# Altium PCB QCPower Rev A.PcbDoc (part 3 of 5) (continued)
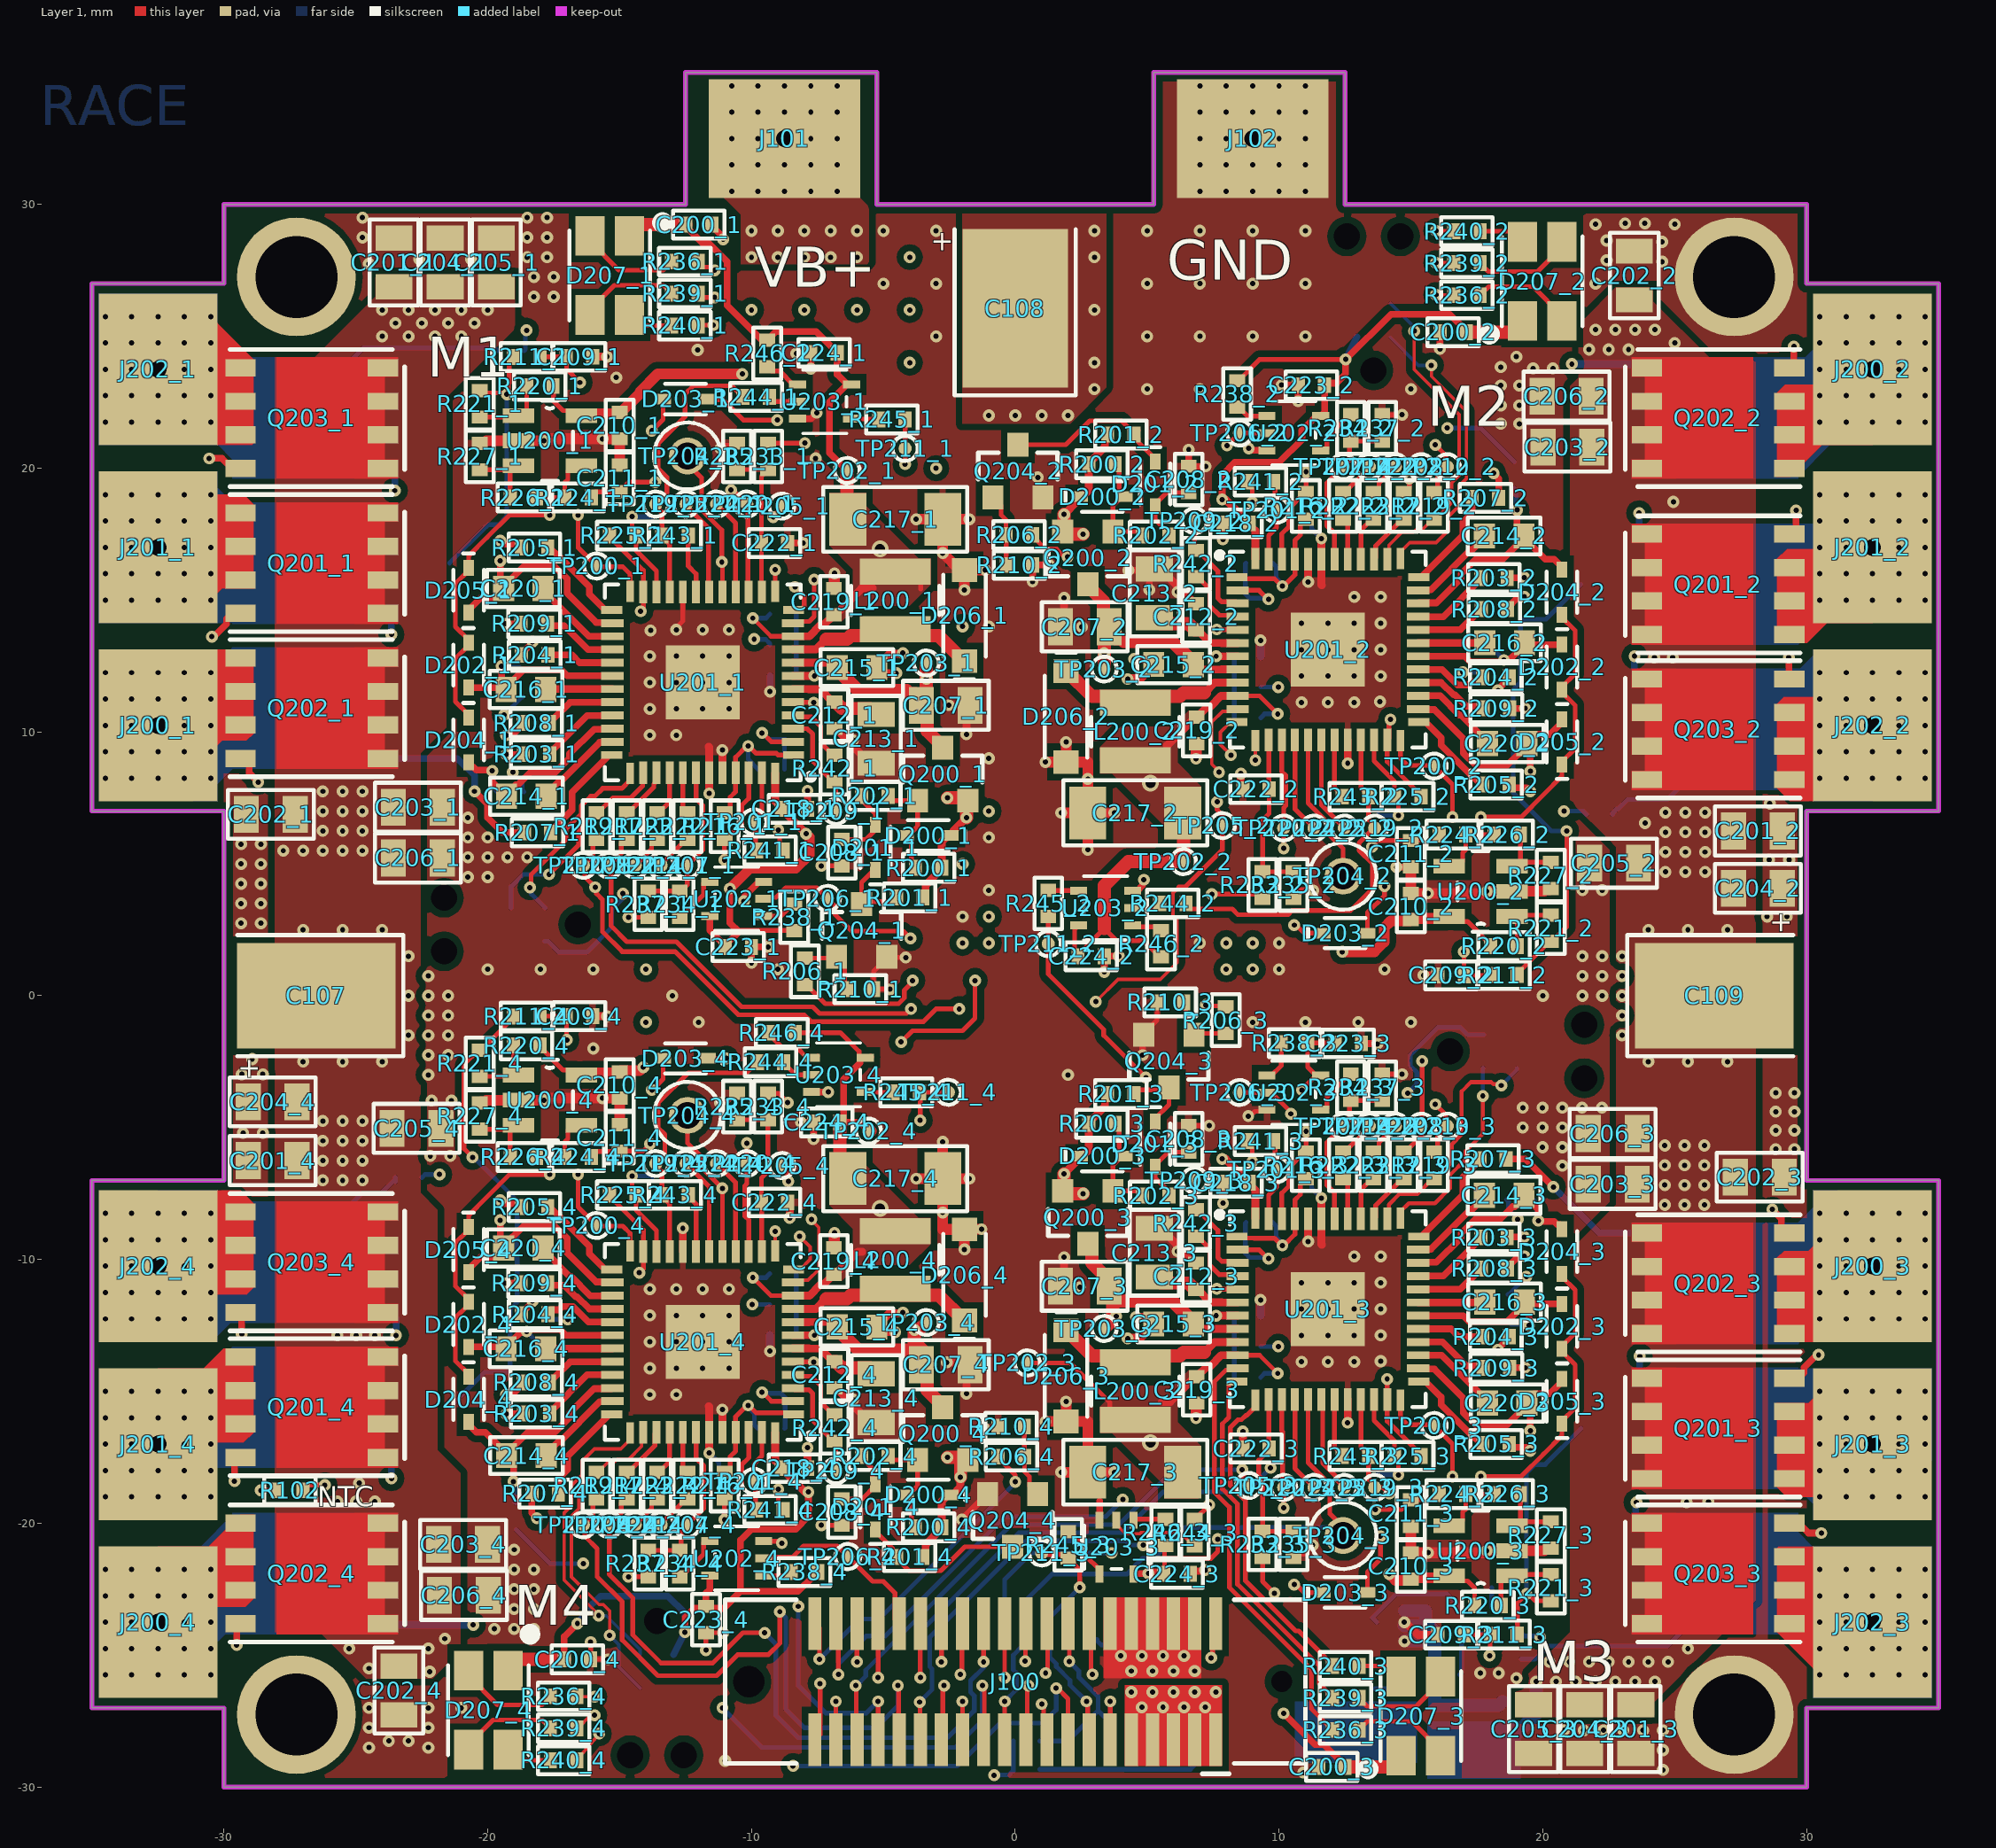
[diagram p0: Layer 1 view]
## Nets (pads, with @x,y where several pads share a name; then routed paths per layer and width w, separated by ;. In a path a pad name is that pad's centre, name@x,y a point inside that pad or via, vN(x,y) a via of type N, cw(c..) or ccw(c..) an arc to the next point about the centre after c; other vN are vias at no path point) (continued)
NetC214_4_1: C214_4.1 U201_4.35 | length 3.5
  Layer 1 w0.254: C214_4.1@-17.786,-17.432 -17.786,-17.357 -17.345,-16.916 ; U201_4.35@-15.277,-15.372 -15.3,-15.395 -15.754,-15.395 -17.274,-16.916 ; -17.345,-16.916 -17.274,-16.916 ; -17.345,-16.916 -17.274,-16.916
NetC216_1_1: C216_1.1 U201_1.31 | length 2.5
  Layer 1 w0.279: C216_1.1@-17.804,11.616 -17.792,11.628 U201_1.31@-15.277,11.628
NetC216_2_1: C216_2.1 U201_2.31 | length 2.5
  Layer 1 w0.279: U201_2.31@15.277,13.372 17.792,13.372 C216_2.1@17.804,13.383
NetC216_3_1: C216_3.1 U201_3.31 | length 2.5
  Layer 1 w0.279: U201_3.31@15.277,-11.628 17.792,-11.628 C216_3.1@17.804,-11.616
NetC216_4_1: C216_4.1 U201_4.31 | length 2.5
  Layer 1 w0.279: C216_4.1@-17.804,-13.384 -17.792,-13.372 U201_4.31@-15.277,-13.372
NetC220_1_1: C220_1.1 U201_1.27 | length 3.4
  Layer 1 w0.254: C220_1.1@-17.9,15.44 -17.9,15.365 -16.163,13.628 U201_1.27@-15.277,13.628
NetC220_2_1: C220_2.1 U201_2.27 | length 3.4
  Layer 1 w0.254: U201_2.27@15.277,11.372 16.106,11.372 16.838,10.64 16.895,10.64 17.9,9.635 C220_2.1@17.9,9.56
NetC220_3_1: C220_3.1 U201_3.27 | length 3.4
  Layer 1 w0.254: U201_3.27@15.277,-13.628 16.163,-13.628 17.9,-15.365 C220_3.1@17.9,-15.44
NetC220_4_1: C220_4.1 U201_4.27 | length 3.4
  Layer 1 w0.254: C220_4.1@-17.9,-9.56 -17.9,-9.635 -16.895,-10.64 -16.838,-10.64 -16.105,-11.372 U201_4.27@-15.277,-11.372
NetC221_1_1: C221_1.1 R231_1.2 R232_1.2 U201_1.7 | length 3.8
  Layer 1 w0.3: U201_1.7@-8.427,12.128 v2(-7.616,12.128)
  Layer 6 w0.178: C221_1.1@-8.3,12.13 R231_1.2@-8.3,14.465 ; C221_1.1@-8.299,12.129 v2@-7.617,12.129
  Layer 6 w0.3: C221_1.1@-8.3,12.13 C221_1.1@-8.299,12.129 ; v2@-7.617,12.129 v2(-7.616,12.128)
NetC221_2_1: C221_2.1 R231_2.2 R232_2.2 U201_2.7 | length 3.8
  Layer 1 w0.3: v2(7.616,12.872) U201_2.7@8.427,12.872
  Layer 6 w0.178: R231_2.2@8.3,10.535 R232_2.2@8.3,11.702 C221_2.1@8.3,12.87
  Layer 6 w0.3: v2(7.616,12.872) 7.617,12.871 8.299,12.871 C221_2.1@8.3,12.87
NetC221_3_1: C221_3.1 R231_3.2 R232_3.2 U201_3.7 | length 3.8
  Layer 1 w0.3: v2(7.616,-12.128) U201_3.7@8.427,-12.128
  Layer 6 w0.178: R231_3.2@8.3,-14.465 R232_3.2@8.3,-13.298 C221_3.1@8.3,-12.13
  Layer 6 w0.3: v2(7.616,-12.128) 7.617,-12.129 8.299,-12.129 C221_3.1@8.3,-12.13
NetC221_4_1: C221_4.1 R231_4.2 R232_4.2 U201_4.7 | length 3.8
  Layer 1 w0.3: U201_4.7@-8.427,-12.872 v2(-7.616,-12.872)
  Layer 6 w0.178: C221_4.1@-8.3,-12.87 R232_4.2@-8.3,-11.702 R231_4.2@-8.3,-10.535
  Layer 6 w0.3: C221_4.1@-8.3,-12.87 -8.299,-12.871 -7.617,-12.871 v2(-7.616,-12.872)
NetD200_1_A: D200_1.A Q200_1.1 R200_1.2 R202_1.2 | length 4.1
  Layer 1 w0.178: R202_1.2@-4.825,7.475 -4.75,7.4 Q200_1.1@-3.7,7.4 -3.7,6.425 D200_1.A@-4.05,6.075 ; D200_1.A@-4.152,6.075 D200_1.A@-4.05,6.075 ; R200_1.2@-3.788,4.852 -3.939,5.003 -3.939,5.963 D200_1.A@-4.05,6.075
NetD200_2_A: D200_2.A Q200_2.1 R200_2.2 R202_2.2 | length 4.1
  Layer 1 w0.178: R200_2.2@3.788,20.148 3.939,19.997 3.939,19.036 D200_2.A@4.05,18.925 ; D200_2.A@4.152,18.925 D200_2.A@4.05,18.925 ; R202_2.2@4.825,17.525 4.75,17.6 Q200_2.1@3.7,17.6 3.7,18.575 D200_2.A@4.05,18.925
NetD200_3_A: D200_3.A Q200_3.1 R200_3.2 R202_3.2 | length 4.1
  Layer 1 w0.178: R200_3.2@3.788,-4.852 3.939,-5.003 3.939,-5.963 D200_3.A@4.05,-6.075 ; D200_3.A@4.152,-6.075 D200_3.A@4.05,-6.075 ; R202_3.2@4.825,-7.475 4.75,-7.4 Q200_3.1@3.7,-7.4 3.7,-6.425 D200_3.A@4.05,-6.075
NetD200_4_A: D200_4.A Q200_4.1 R200_4.2 R202_4.2 | length 4.1
  Layer 1 w0.178: R202_4.2@-4.825,-17.525 -4.75,-17.6 Q200_4.1@-3.7,-17.6 -3.7,-18.575 D200_4.A@-4.05,-18.925 ; D200_4.A@-4.152,-18.925 D200_4.A@-4.05,-18.925 ; R200_4.2@-3.788,-20.148 -3.939,-19.997 -3.939,-19.036 D200_4.A@-4.05,-18.925
NetD201_1_K: D201_1.K Q204_1.3 R201_1.2 | length 3
  Layer 1 w0.178: D201_1.K@-5.3,4.823 -5.825,4.298 Q204_1.3@-5.825,3.475 -5.736,3.564 -4.661,3.564 R201_1.2@-4.5,3.725
NetD201_2_K: D201_2.K Q204_2.3 R201_2.2 | length 6.8
  Layer 1 w0.178: Q204_2.3@0.102,20.888 1.913,20.888 2.825,21.8 4.025,21.8 4.5,21.325 R201_2.2@4.5,21.275 ; R201_2.2@4.661,21.436 R201_2.2@4.5,21.275 ; D201_2.K@5.3,20.279 D201_2.K@5.3,20.254 5.3,20.177 5.3,20.356 4.661,20.994 4.661,21.114 R201_2.2@4.5,21.275
NetD201_3_K: D201_3.K Q204_3.3 R201_3.2 | length 3
  Layer 1 w0.178: R201_3.2@4.5,-3.725 4.661,-3.564 5.736,-3.564 Q204_3.3@5.825,-3.475 5.825,-4.132 5.3,-4.657 D201_3.K@5.3,-4.823
NetD201_4_K: D201_4.K Q204_4.3 R201_4.2 | length 6.7
  Layer 1 w0.178: D201_4.K@-5.3,-20.177 D201_4.K@-5.3,-20.228 -5.3,-20.279 -5.3,-20.303 -4.661,-20.942 -4.661,-21.114 R201_4.2@-4.5,-21.275 ; R201_4.2@-4.661,-21.436 R201_4.2@-4.5,-21.275 ; Q204_4.3@-0.102,-20.888 -1.913,-20.888 -2.825,-21.8 -4.025,-21.8 -4.5,-21.325 R201_4.2@-4.5,-21.275
NetD202_1_K: D202_1.K D203_1.A D204_1.K D205_1.K | length 18.5
  Layer 1 w0.178: D204_1.K@-20.725,10.552 -20.725,10.654 -21.225,11.154 -21.225,12.788 -20.725,13.288 D202_1.K@-20.725,13.39 -20.725,13.492 -21.225,13.992 -21.225,15.625 -20.725,16.125 D205_1.K@-20.725,16.227 -20.725,16.675 -20.025,17.375 -20.025,17.376 -19.175,18.226 v2(-17.651,18.226) ; v2(-13.775,21.425) -13.352,21.848 D203_1.A@-13.352,22.625
  Layer 3 w0.178: v2(-17.651,18.226) -17.125,17.7 -16.1,17.7 -13.775,20.025 v2(-13.775,21.425)
NetD202_2_K: D202_2.K D203_2.A D204_2.K D205_2.K | length 18.5
  Layer 1 w0.178: D203_2.A@13.352,2.375 13.352,3.152 14.001,3.801 v2(14.001,4.15) ; v2(17.651,6.774) 19.176,6.774 20.025,7.624 20.025,7.625 20.725,8.325 D205_2.K@20.725,8.773 20.725,8.875 21.225,9.375 21.225,11.008 20.725,11.508 D202_2.K@20.725,11.61 20.725,11.712 21.225,12.212 21.225,13.846 20.725,14.346 D204_2.K@20.725,14.448
  Layer 3 w0.178: v2(14.001,4.15) 14.001,4.749 13.95,4.8 13.95,5.25 15.918,7.218 17.207,7.218 v2(17.651,6.774)
NetD202_3_K: D202_3.K D203_3.A D204_3.K D205_3.K | length 18.2
  Layer 1 w0.178: D203_3.A@13.352,-22.625 13.352,-21.848 13.843,-21.357 v2(13.843,-20.492) ; v2(17.651,-18.226) 19.175,-18.226 20.025,-17.376 20.025,-17.375 20.725,-16.675 D205_3.K@20.725,-16.227 20.725,-16.125 21.225,-15.625 21.225,-13.992 20.725,-13.492 D202_3.K@20.725,-13.39 20.725,-13.288 21.225,-12.788 21.225,-11.154 20.725,-10.654 D204_3.K@20.725,-10.552
  Layer 3 w0.178: v2(13.843,-20.492) 13.843,-20.331 16.392,-17.782 17.207,-17.782 v2(17.651,-18.226)
NetD202_4_K: D202_4.K D203_4.A D204_4.K D205_4.K | length 18.5
  Layer 1 w0.178: D204_4.K@-20.725,-14.448 -20.725,-14.346 -21.225,-13.846 -21.225,-12.212 -20.725,-11.712 D202_4.K@-20.725,-11.61 -20.725,-11.508 -21.225,-11.008 -21.225,-9.375 -20.725,-8.875 D205_4.K@-20.725,-8.773 -20.725,-8.325 -20.025,-7.625 -20.025,-7.624 -19.175,-6.774 v2(-17.651,-6.774) ; v2(-13.775,-3.575) -13.352,-3.152 D203_4.A@-13.352,-2.375
  Layer 3 w0.178: v2(-17.651,-6.774) -17.125,-7.3 -16.1,-7.3 -14.286,-5.486 -14.286,-5.43 -14.026,-5.17 -13.971,-5.17 -13.775,-4.975 v2(-13.775,-3.575)
NetD206_1_K: D206_1.K L200_1.1 U201_1.9 | length 7.3
  Layer 1 w0.3: U201_1.9@-8.427,13.128 -7.563,13.128 -7.175,13.515
  Layer 1 w0.5: -7.175,13.515 -6.375,13.515 -6.238,13.653 -4.795,13.653 L200_1.1@-4.55,13.898 -4.305,13.653 -2.913,13.653 -1.95,12.69 D206_1.K@-1.925,12.69
NetD206_2_K: D206_2.K L200_2.1 U201_2.9 | length 7.3
  Layer 1 w0.3: 7.175,11.485 7.563,11.872 U201_2.9@8.427,11.872
  Layer 1 w0.5: D206_2.K@1.925,12.31 1.95,12.31 2.913,11.347 4.305,11.347 L200_2.1@4.55,11.102 4.796,11.347 6.238,11.347 6.375,11.485 7.175,11.485
NetD206_3_K: D206_3.K L200_3.1 U201_3.9 | length 7.3
  Layer 1 w0.3: 7.175,-13.515 7.563,-13.128 U201_3.9@8.427,-13.128
  Layer 1 w0.5: D206_3.K@1.925,-12.69 1.95,-12.69 2.913,-13.653 4.305,-13.653 L200_3.1@4.55,-13.898 4.795,-13.653 6.238,-13.653 6.375,-13.515 7.175,-13.515
NetD206_4_K: D206_4.K L200_4.1 U201_4.9 | length 7.3
  Layer 1 w0.3: U201_4.9@-8.427,-11.872 -7.563,-11.872 -7.175,-11.485
  Layer 1 w0.5: -7.175,-11.485 -6.375,-11.485 -6.238,-11.347 -4.795,-11.347 L200_4.1@-4.55,-11.102 -4.305,-11.347 -2.913,-11.347 -1.95,-12.31 D206_4.K@-1.925,-12.31
NetD207_1_2: D207_1.2 R240_1.1 | length 1.8
  Layer 1 w0.178: D207_1.2@-14.625,25.81 -14.225,25.41 R240_1.1@-13.025,25.41
NetD207_1_3: D207_1.3 R239_1.1 | length 3.8
  Layer 1 w0.178: D207_1.3@-16.125,25.81 -16.125,26.01 -15.2,26.935 -13.337,26.935 -13.236,26.833 -13.186,26.833 -13.025,26.672 R239_1.1@-13.025,26.622
NetD207_1_4: D207_1.4 R236_1.1 | length 3.9
  Layer 1 w0.178: D207_1.4@-16.125,28.81 -16.125,28.61 -15.025,27.51 -13.35,27.51 -13.236,27.624 -13.186,27.624 -13.025,27.785 R236_1.1@-13.025,27.835
NetD207_2_2: D207_2.2 R240_2.1 | length 1.8
  Layer 1 w0.178: R240_2.1@17.625,28.982 18.825,28.982 D207_2.2@19.225,28.582
NetD207_2_3: D207_2.3 R239_2.1 | length 3.8
  Layer 1 w0.178: R239_2.1@17.625,27.77 17.625,27.72 17.786,27.559 17.836,27.559 17.938,27.457 19.8,27.457 20.725,28.382 D207_2.3@20.725,28.582
NetD207_2_4: D207_2.4 R236_2.1 | length 3.9
  Layer 1 w0.178: R236_2.1@17.625,26.557 17.625,26.607 17.786,26.768 17.836,26.768 17.95,26.882 19.625,26.882 20.725,25.782 D207_2.4@20.725,25.582
NetD207_3_2: D207_3.2 R240_3.1 | length 1.8
  Layer 1 w0.178: R240_3.1@13.025,-25.41 14.225,-25.41 D207_3.2@14.625,-25.81
NetD207_3_3: D207_3.3 R239_3.1 | length 3.8
  Layer 1 w0.178: R239_3.1@13.025,-26.622 13.025,-26.672 13.186,-26.833 13.236,-26.833 13.337,-26.935 15.2,-26.935 16.125,-26.01 D207_3.3@16.125,-25.81
NetD207_3_4: D207_3.4 R236_3.1 | length 3.9
  Layer 1 w0.178: R236_3.1@13.025,-27.835 13.025,-27.785 13.186,-27.624 13.236,-27.624 13.35,-27.51 15.025,-27.51 16.125,-28.61 D207_3.4@16.125,-28.81
NetD207_4_2: D207_4.2 R240_4.1 | length 1.8
  Layer 1 w0.178: D207_4.2@-19.225,-28.582 -18.825,-28.982 R240_4.1@-17.625,-28.982
NetD207_4_3: D207_4.3 R239_4.1 | length 3.8
  Layer 1 w0.178: D207_4.3@-20.725,-28.582 -20.725,-28.382 -19.8,-27.457 -17.937,-27.457 -17.836,-27.559 -17.786,-27.559 -17.625,-27.72 R239_4.1@-17.625,-27.77
NetD207_4_4: D207_4.4 R236_4.1 | length 3.9
  Layer 1 w0.178: D207_4.4@-20.725,-25.582 -20.725,-25.782 -19.625,-26.882 -17.95,-26.882 -17.836,-26.768 -17.786,-26.768 -17.625,-26.607 R236_4.1@-17.625,-26.557
NetQ204_1_1: Q204_1.1 R206_1.1 R210_1.1 | length 2.6
  Layer 1 w0.178: R206_1.1@-7.975,1.425 -6.825,1.425 Q204_1.1@-6.775,1.475 -6.464,1.164 -6.464,0.339 R210_1.1@-6.375,0.25
NetQ204_2_1: Q204_2.1 R206_2.1 R210_2.1 | length 3.6
  Layer 1 w0.178: R210_2.1@-0.344,16.332 -0.348,16.336 -0.348,17.471 R206_2.1@-0.352,17.475 -0.352,18.042 -0.537,18.228 ; -0.537,18.228 Q204_2.1@-0.537,18.577 ; -0.537,18.228 Q204_2.1@-0.537,18.577 ; Q204_2.1@-0.537,18.577 Q204_2.1@-0.848,18.888 Q204_2.1@-0.537,18.577
NetQ204_3_1: Q204_3.1 R206_3.1 R210_3.1 | length 2.6
  Layer 1 w0.178: R210_3.1@6.375,-0.25 6.464,-0.339 6.464,-1.164 Q204_3.1@6.725,-1.425 ; Q204_3.1@6.775,-1.475 Q204_3.1@6.725,-1.425 ; R206_3.1@7.975,-1.425 Q204_3.1@6.725,-1.425
NetQ204_4_1: Q204_4.1 R206_4.1 R210_4.1 | length 2.8
  Layer 1 w0.178: R210_4.1@0.344,-16.332 0.348,-16.336 0.348,-17.471 R206_4.1@0.352,-17.475 0.352,-18.042 0.537,-18.228 0.537,-18.577 Q204_4.1@0.848,-18.888
NetR100_2: R100.2 R101.1 U100.3 | length 2.7
  Layer 6 w0.178: U100.3@16.85,-25.73 16.916,-25.664 R100.2@16.916,-24.184 R101.1@18.059,-24.184
NetR102_1: R102.1 R103.1 R104.2 | length 45
  Layer 1 w0.178: R102.1@-27,-18.75 -27,-18.711 -26.839,-18.55 v2(-26.175,-18.55)
  Layer 3 w0.127: v2(-26.175,-18.55) -25.625,-18.55 -21.65,-14.575 -19.125,-14.575 -18.607,-15.093 -18.607,-18.982 -21.279,-21.654 -21.279,-23.6 -21.001,-23.878 -21.001,-23.989 -15.312,-29.679 -1.4,-29.679 -1.271,-29.55 v1(-0.8,-29.55)
  Layer 6 w0.178: v1(-0.8,-29.55) -0.786,-29.536 -0.236,-29.536 -0.075,-29.375 R104.2@-0.075,-29.325 ; R104.2@-0.075,-29.315 R103.1@-0.075,-28.25
NetR217_1_2: R217_1.2 U201_1.39 | length 2
  Layer 1 w0.178: R217_1.2@-14.727,6.929 -14.677,6.929 -13.7,7.906 -13.7,8.025 -13.602,8.123 U201_1.39@-13.602,8.453
NetR217_2_2: R217_2.2 U201_2.39 | length 2
  Layer 1 w0.178: U201_2.39@13.602,16.547 13.663,16.608 13.663,17.057 14.677,18.071 R217_2.2@14.727,18.071
NetR217_3_2: R217_3.2 U201_3.39 | length 2
  Layer 1 w0.178: U201_3.39@13.602,-8.453 13.663,-8.392 13.663,-7.942 14.677,-6.929 R217_3.2@14.727,-6.929
NetR217_4_2: R217_4.2 U201_4.39 | length 2
  Layer 1 w0.178: R217_4.2@-14.727,-18.071 -14.677,-18.071 -13.663,-17.058 -13.663,-16.608 U201_4.39@-13.602,-16.547
NetR220_1_2: R220_1.2 R221_1.1 U200_1.1 | length 3
  Layer 1 w0.178: R221_1.1@-20.3,21.94 U200_1.1@-18.888,21.94 ; U200_1.1@-19.025,22.077 U200_1.1@-18.888,21.94 ; R220_1.2@-18.525,23.118 -18.525,22.183 -18.716,21.993 U200_1.1@-18.836,21.993 U200_1.1@-18.888,21.94
NetR220_2_2: R220_2.2 R221_2.1 U200_2.1 | length 2.7
  Layer 1 w0.178: U200_2.1@18.836,3.007 U200_2.1@18.888,3.06 ; R220_2.2@19.025,1.882 19.025,2.923 U200_2.1@18.888,3.06 ; R221_2.1@20.3,3.06 U200_2.1@18.888,3.06
NetR220_3_2: R220_3.2 R221_3.1 U200_3.1 | length 3.1
  Layer 1 w0.178: R220_3.2@18.416,-23.118 18.416,-22.183 18.606,-21.993 U200_3.1@18.836,-21.993 U200_3.1@18.888,-21.94 ; U200_3.1@19.025,-22.077 U200_3.1@18.888,-21.94 ; R221_3.1@20.3,-21.94 U200_3.1@18.888,-21.94
NetR220_4_2: R220_4.2 R221_4.1 U200_4.1 | length 2.7
  Layer 1 w0.178: R221_4.1@-20.3,-3.06 U200_4.1@-18.888,-3.06 ; R220_4.2@-19.025,-1.882 -19.025,-2.923 U200_4.1@-18.888,-3.06 ; U200_4.1@-18.836,-3.007 U200_4.1@-18.888,-3.06
NetR222_1_2: R222_1.2 U201_1.41 | length 1.6
  Layer 1 w0.178: U201_1.41@-12.602,8.453 -12.602,7.09 -12.441,6.929 R222_1.2@-12.423,6.929
NetR222_2_2: R222_2.2 U201_2.41 | length 1.6
  Layer 1 w0.178: R222_2.2@12.423,18.071 12.441,18.071 12.602,17.91 U201_2.41@12.602,16.547
NetR222_3_2: R222_3.2 U201_3.41 | length 1.6
  Layer 1 w0.178: R222_3.2@12.423,-6.929 12.441,-6.929 12.602,-7.09 U201_3.41@12.602,-8.453
NetR222_4_2: R222_4.2 U201_4.41 | length 1.6
  Layer 1 w0.178: U201_4.41@-12.602,-16.547 -12.602,-17.91 -12.441,-18.071 R222_4.2@-12.423,-18.071
NetR223_1_2: R223_1.2 U201_1.40 | length 1.7
  Layer 1 w0.178: R223_1.2@-13.575,6.929 -13.525,6.929 -13.102,7.352 U201_1.40@-13.102,8.453
NetR223_2_2: R223_2.2 U201_2.40 | length 1.7
  Layer 1 w0.178: U201_2.40@13.102,16.547 13.102,17.648 13.525,18.071 R223_2.2@13.575,18.071
NetR223_3_2: R223_3.2 U201_3.40 | length 1.7
  Layer 1 w0.178: U201_3.40@13.102,-8.453 13.102,-7.352 13.525,-6.929 R223_3.2@13.575,-6.929
NetR223_4_2: R223_4.2 U201_4.40 | length 1.7
  Layer 1 w0.178: R223_4.2@-13.575,-18.071 -13.525,-18.071 -13.102,-17.648 U201_4.40@-13.102,-16.547
NetR224_1_1: R224_1.1 R226_1.2 U200_1.4 | length 2.7
  Layer 1 w0.178: R226_1.2@-18.15,18.89 R224_1.1@-17.075,18.89 -17.075,19.457 -16.96,19.572 -16.96,19.902 -16.769,20.093 U200_1.4@-16.449,20.093
NetR224_2_1: R224_2.1 R226_2.2 U200_2.4 | length 2.7
  Layer 1 w0.178: U200_2.4@16.449,4.907 16.769,4.907 16.96,5.098 16.96,5.427 17.075,5.543 R224_2.1@17.075,6.11 R226_2.2@18.15,6.11
NetR224_3_1: R224_3.1 R226_3.2 U200_3.4 | length 2.7
  Layer 1 w0.178: U200_3.4@16.449,-20.093 16.769,-20.093 16.96,-19.902 16.96,-19.572 17.075,-19.457 R224_3.1@17.075,-18.89 R226_3.2@18.15,-18.89
NetR224_4_1: R224_4.1 R226_4.2 U200_4.4 | length 2.7
  Layer 1 w0.178: R226_4.2@-18.15,-6.11 R224_4.1@-17.075,-6.11 -17.075,-5.543 -16.96,-5.428 -16.96,-5.098 -16.769,-4.907 U200_4.4@-16.449,-4.907
NetR226_1_1: R226_1.1 R227_1.1 U200_1.3 | length 2.6
  Layer 1 w0.178: R227_1.1@-20.3,19.94 U200_1.3@-19.112,19.94 ; R226_1.1@-19.15,18.89 -19.15,19.902 U200_1.3@-19.112,19.94 ; U200_1.3@-18.836,20.093 -18.96,20.093 U200_1.3@-19.112,19.94
NetR226_2_1: R226_2.1 R227_2.1 U200_2.3 | length 2.6
  Layer 1 w0.178: U200_2.3@18.836,4.907 18.96,4.907 U200_2.3@19.112,5.06 ; R226_2.1@19.15,6.11 19.15,5.098 U200_2.3@19.112,5.06 ; R227_2.1@20.3,5.06 U200_2.3@19.112,5.06
NetR226_3_1: R226_3.1 R227_3.1 U200_3.3 | length 2.6
  Layer 1 w0.178: U200_3.3@18.836,-20.093 18.96,-20.093 U200_3.3@19.112,-19.94 ; R226_3.1@19.15,-18.89 19.15,-19.902 U200_3.3@19.112,-19.94 ; R227_3.1@20.3,-19.94 U200_3.3@19.112,-19.94
NetR226_4_1: R226_4.1 R227_4.1 U200_4.3 | length 2.6
  Layer 1 w0.178: R227_4.1@-20.3,-5.06 U200_4.3@-19.112,-5.06 ; R226_4.1@-19.15,-6.11 -19.15,-5.098 U200_4.3@-19.112,-5.06 ; U200_4.3@-18.836,-4.907 -18.96,-4.907 U200_4.3@-19.112,-5.06
NetR234_1_1: R234_1.1 U202_1.4 | length 2
  Layer 1 w0.178: R234_1.1@-12.719,2.973 -12.669,2.973 -11.818,3.824 -11.818,4.26 -11.757,4.322 U202_1.4@-11.583,4.322
NetR234_2_1: R234_2.1 U202_2.4 | length 2
  Layer 1 w0.178: U202_2.4@11.583,20.678 11.757,20.678 11.818,20.739 11.818,21.176 12.669,22.027 R234_2.1@12.719,22.027
NetR234_3_1: R234_3.1 U202_3.4 | length 2
  Layer 1 w0.178: U202_3.4@11.583,-4.322 11.757,-4.322 11.818,-4.26 11.818,-3.824 12.669,-2.973 R234_3.1@12.719,-2.973
NetR234_4_1: R234_4.1 U202_4.4 | length 2
  Layer 1 w0.178: R234_4.1@-12.719,-22.027 -12.669,-22.027 -11.818,-21.176 -11.818,-20.74 -11.757,-20.678 U202_4.4@-11.583,-20.678
NetR245_1_2: R245_1.2 U203_1.4 | length 1
  Layer 1 w0.178: U203_1.4@-6.205,21.875 -6.193,21.863 -5.188,21.863 R245_1.2@-5.175,21.85
NetR245_2_2: R245_2.2 U203_2.4 | length 1.2
  Layer 1 w0.178: R245_2.2@1.25,4 1.263,3.988 2.39,3.988 U203_2.4@2.403,3.975
NetR245_3_2: R245_3.2 U203_3.4 | length 2.1
  Layer 1 w0.178: R245_3.2@2.007,-20.32 2.057,-20.32 2.671,-20.934 2.671,-21.238 3.185,-21.753 U203_3.4@3.185,-21.927
NetR245_4_2: R245_4.2 U203_4.4 | length 1.1
  Layer 1 w0.178: U203_4.4@-5.683,-3.647 -5.673,-3.658 R245_4.2@-4.632,-3.658
NetR246_1_1: R246_1.1 U203_1.1 | length 1.4
  Layer 1 w0.178: R246_1.1@-9.4,23.85 -9.239,23.689 -8.938,23.689 -8.424,23.175 U203_1.1@-8.25,23.175
NetR246_2_1: R246_2.1 U203_2.1 | length 1.2
  Layer 1 w0.178: U203_2.1@4.447,2.675 4.508,2.614 5.386,2.614 R246_2.1@5.525,2.475
NetR246_3_1: R246_3.1 U203_3.1 | length 1.2
  Layer 1 w0.178: U203_3.1@4.485,-19.882 4.522,-19.845 R246_3.1@5.69,-19.845
NetR246_4_1: R246_4.1 U203_4.1 | length 2.3
  Layer 1 w0.178: R246_4.1@-9.35,-1.4 -9.35,-1.45 -8.851,-1.949 -8.3,-1.949 -7.902,-2.347 U203_4.1@-7.728,-2.347 -7.554,-2.347 U203_4.1@-7.493,-2.286
NetTP224_1_1: TP224_1.1 U201_1.16 | length 3.6
  Layer 1 w0.178: TP224_1.1@-11.325,18.64 -10.602,17.917 U201_1.16@-10.602,15.303
NetTP224_2_1: TP224_2.1 U201_2.16 | length 3.6
  Layer 1 w0.178: U201_2.16@10.602,9.697 10.602,7.082 TP224_2.1@11.325,6.36
NetTP224_3_1: TP224_3.1 U201_3.16 | length 3.6
  Layer 1 w0.178: U201_3.16@10.602,-15.303 10.602,-17.917 TP224_3.1@11.325,-18.64
NetTP224_4_1: TP224_4.1 U201_4.16 | length 3.6
  Layer 1 w0.178: TP224_4.1@-11.325,-6.36 -10.602,-7.083 U201_4.16@-10.602,-9.697
NetTP225_1_1: TP225_1.1 U201_1.18 | length 3.7
  Layer 1 w0.178: TP225_1.1@-12.475,18.64 -12.475,18.572 -11.63,17.727 -11.63,15.331 U201_1.18@-11.602,15.303
NetTP225_2_1: TP225_2.1 U201_2.18 | length 3.7
  Layer 1 w0.178: U201_2.18@11.602,9.697 11.602,7.232 TP225_2.1@12.475,6.36
NetTP225_3_1: TP225_3.1 U201_3.18 | length 3.7
  Layer 1 w0.178: U201_3.18@11.602,-15.303 11.653,-15.353 11.653,-17.714 12.23,-18.292 12.23,-18.395 TP225_3.1@12.475,-18.64
NetTP225_4_1: TP225_4.1 U201_4.18 | length 3.7
  Layer 1 w0.178: TP225_4.1@-12.475,-6.36 -11.602,-7.233 U201_4.18@-11.602,-9.697
OCCOMP_1: C209_1.1 R211_1.1 TP200_1.1 U201_1.24 | length 11.8
  Layer 1 w0.178: R211_1.1@-18.025,24.216 -18.017,24.225 C209_1.1@-17.025,24.225 -17.012,24.212 -17.012,23.762 v2(-16.5,23.25) ; C209_1.1@-17.186,24.436 C209_1.1@-17.025,24.275 ; v2(-16.575,18.225) -16.575,16.99 TP200_1.1@-15.875,16.29 -15.85,16.265 -14.875,16.265 -14.602,15.992 U201_1.24@-14.602,15.328
  Layer 3 w0.178: v2(-16.575,18.225) -16.5,18.3 v2(-16.5,23.25)
OCCOMP_2: C209_2.1 R211_2.1 TP200_2.1 U201_2.24 | length 11.7
  Layer 1 w0.178: U201_2.24@14.602,9.672 14.602,9.007 14.875,8.735 15.85,8.735 TP200_2.1@15.875,8.71 16.575,8.01 v2(16.575,6.775) ; v2(17,1.675) 17.013,1.662 17.013,0.787 C209_2.1@17.025,0.775 18.017,0.775 R211_2.1@18.025,0.783 ; C209_2.1@17.025,0.725 C209_2.1@17.186,0.564
  Layer 3 w0.178: v2(16.575,6.775) 16.575,2.1 v2(17,1.675)
OCCOMP_3: C209_3.1 R211_3.1 TP200_3.1 U201_3.24 | length 13.5
  Layer 1 w0.178: U201_3.24@14.602,-15.328 14.602,-15.992 14.875,-16.265 15.85,-16.265 16.575,-16.99 v2(16.575,-18.225) ; C209_3.1@17.025,-24.225 R211_3.1@18.017,-24.225 ; v2(17.983,-25.019) 18.004,-24.998 18.004,-24.237 R211_3.1@18.017,-24.225 ; R211_3.1@18.025,-24.216 R211_3.1@18.017,-24.225
  Layer 3 w0.178: v2(16.575,-18.225) 16.575,-22.9 17.983,-24.308 v2(17.983,-25.019)
OCCOMP_4: C209_4.1 R211_4.1 TP200_4.1 U201_4.24 | length 11.7
  Layer 1 w0.178: R211_4.1@-18.025,-0.784 -18.017,-0.775 C209_4.1@-17.025,-0.775 -17.012,-0.787 -17.012,-1.662 v2(-17,-1.675) ; C209_4.1@-17.186,-0.564 C209_4.1@-17.025,-0.725 ; v2(-16.575,-6.775) -16.575,-8.01 TP200_4.1@-15.875,-8.71 -15.85,-8.735 -14.875,-8.735 -14.602,-9.008 U201_4.24@-14.602,-9.672
  Layer 3 w0.178: v2(-17,-1.675) -16.575,-2.1 v2(-16.575,-6.775)
OP1N_1: R214_1.2 R225_1.1 R230_1.2 U201_1.22 | length 16.8
  Layer 1 w0.178: v2(-14.525,18.165) -14.525,17.598 R225_1.1@-14.377,17.45 -14.377,16.876 -13.602,16.102 U201_1.22@-13.602,15.303
  Layer 3 w0.178: v2(-18.525,25.225) -18.525,18.275 -17.325,17.075 -15.616,17.075 v2(-14.525,18.165)
  Layer 6 w0.178: R214_1.2@-18.625,24.45 -18.575,24.5 -18.575,25.175 v2(-18.525,25.225) ; v2(-14.525,18.165) -13.79,18.165 R230_1.2@-13.75,18.125
OP1N_2: R214_2.2 R225_2.1 R230_2.2 U201_2.22 | length 12
  Layer 1 w0.178: U201_2.22@13.602,9.697 13.602,8.898 14.377,8.124 R225_2.1@14.377,7.55 14.525,7.401 v2(14.525,6.835)
  Layer 3 w0.178: v2(14.525,6.835) 15.616,7.925 17.325,7.925 18.25,7 v2(20.8,7)
  Layer 6 w0.178: R230_2.2@13.75,6.875 13.79,6.835 v2(14.525,6.835) ; v2(20.8,7) 21.525,7 R214_2.2@21.65,6.875
OP1N_3: R214_3.2 R225_3.1 R230_3.2 U201_3.22 | length 16.4
  Layer 1 w0.178: U201_3.22@13.602,-15.303 13.602,-16.102 14.377,-16.876 R225_3.1@14.377,-17.45 14.525,-17.598 v2(14.525,-18.165)
  Layer 3 w0.178: v2(14.525,-18.165) 15.616,-17.075 17.325,-17.075 18.675,-18.425 18.675,-23.1 v2(19.9,-24.325)
  Layer 6 w0.178: R230_3.2@13.75,-18.125 13.79,-18.165 v2(14.525,-18.165) ; R214_3.2@19.175,-24.15 19.298,-24.273 19.848,-24.273 v2(19.9,-24.325)
OP1N_4: R214_4.2 R225_4.1 R230_4.2 U201_4.22 | length 13
  Layer 1 w0.178: v2(-14.525,-6.835) -14.525,-7.402 R225_4.1@-14.377,-7.55 -14.377,-8.124 -13.602,-8.898 U201_4.22@-13.602,-9.697
  Layer 3 w0.178: v2(-21.825,-6.775) -18.475,-6.775 -17.325,-7.925 -15.616,-7.925 v2(-14.525,-6.835)
  Layer 6 w0.178: R214_4.2@-22.5,-6.898 -22.377,-6.775 v2(-21.825,-6.775) v2@-21.839,-6.789 ; v2(-14.525,-6.835) -13.79,-6.835 R230_4.2@-13.75,-6.875
OP1O_1: R243_1.2 R244_1.2 TP219_1.1 U201_1.21 | length 11
  Layer 1 w0.178: U201_1.21@-13.102,15.303 -13.102,17.105 -13.397,17.4 R243_1.2@-13.397,17.45 -13.397,18.325 -13.625,18.553 TP219_1.1@-13.625,18.64 -13.207,19.058 -13.207,19.665 -13.544,20.002 -13.544,20.929 -12.523,21.95 -12.523,22.802 -12.2,23.125 -10.75,23.125 -10.536,22.911 -10.486,22.911 -10.325,22.75 R244_1.2@-10.325,22.7
OP1O_2: R243_2.2 R244_2.2 TP219_2.1 U201_2.21 | length 14
  Layer 1 w0.178: R244_2.2@6.475,3.5 6.475,3.45 6.636,3.289 8.224,3.289 8.438,3.075 10.343,3.075 10.502,3.234 12.707,3.234 13.544,4.071 13.544,4.998 13.034,5.509 13.034,5.792 13.601,6.36 TP219_2.1@13.625,6.36 13.625,6.447 13.397,6.675 13.397,7.6 13.102,7.894 U201_2.21@13.102,9.697
OP1O_3: R243_3.2 R244_3.2 TP219_3.1 U201_3.21 | length 12
  Layer 1 w0.178: R244_3.2@6.807,-19.853 7.35,-19.31 v2(7.35,-19.301) ; U201_3.21@13.102,-15.303 13.102,-17.105 13.397,-17.4 13.397,-18.325 13.625,-18.553 TP219_3.1@13.625,-18.64 13.94,-18.64 v2(14.175,-18.875)
  Layer 3 w0.178: v2(7.35,-19.301) 7.399,-19.301 7.45,-19.25 7.85,-19.25 8.225,-18.875 v2(14.175,-18.875)
OP1O_4: R243_4.2 R244_4.2 TP219_4.1 U201_4.21 | length 10.5
  Layer 1 w0.178: U201_4.21@-13.102,-9.697 -13.102,-7.895 -13.397,-7.6 -13.397,-6.675 -13.625,-6.447 TP219_4.1@-13.625,-6.36 -13.601,-6.36 -13.284,-6.043 -13.284,-5.258 -13.544,-4.998 -13.544,-4.071 -12.394,-2.921 -10.185,-2.921 R244_4.2@-9.779,-2.515
OP1P_1: R216_1.2 R218_1.2 R225_1.2 U201_1.1 U201_1.23 U201_1.45 | length 18.9
  Layer 1 w0.178: R225_1.2@-15.377,17.45 -15.377,17.4 -14.102,16.126 U201_1.23@-14.102,15.303 -14.101,15.302 -14.101,14.674 v2(-14.2,14.575) ; R216_1.2@-11.018,6.929 -10.968,6.929 -10.806,7.09 -10.806,7.532 -10.602,7.736 U201_1.45@-10.602,8.453 -10.6,8.455 -10.6,9.044 -10.179,9.465 v2(-10.125,9.465) -10.102,9.465 -9.827,9.19 -9.05,9.19 -8.988,9.128 U201_1.1@-8.402,9.128
  Layer 3 w0.178: v2(-14.2,14.575) -13.947,14.322 -13.668,14.322 -13.408,14.062 ; -13.408,14.061 -13.381,14.035 -13.381,13.721 -13.375,13.715 -13.375,12.772 -13.036,12.433 -10.779,12.433 -10.102,11.756 -10.102,11.227 -9.1,10.225 -9.1,9.725 -9.36,9.465 v2(-10.125,9.465)
  Layer 6 w0.178: v2(-10.125,9.465) -10.125,8.965 R218_1.2@-9.75,8.59
OP1P_2: R216_2.2 R218_2.2 R225_2.2 U201_2.1 U201_2.23 U201_2.45 | length 17.5
  Layer 1 w0.178: U201_2.1@8.402,15.872 8.463,15.811 9.049,15.811 9.05,15.81 9.827,15.81 10.102,15.535 v2(10.125,15.535) 10.179,15.535 10.6,15.956 10.6,16.545 U201_2.45@10.602,16.547 10.602,17.264 10.806,17.468 10.806,17.91 10.968,18.071 R216_2.2@11.018,18.071 ; v2(14.225,10.475) 14.225,10.401 14.163,10.34 14.163,9.758 U201_2.23@14.102,9.697 14.102,8.874 15.377,7.6 R225_2.2@15.377,7.55
  Layer 3 w0.178: v2(10.125,15.535) 10.982,14.677 12.925,14.677 13.381,14.222 13.381,10.966 13.821,10.527 14.173,10.527 v2(14.225,10.475)
  Layer 6 w0.178: R218_2.2@9.75,16.41 9.891,16.269 9.891,15.843 10.125,15.608 v2(10.125,15.535)
OP1P_3: R216_3.2 R218_3.2 R225_3.2 U201_3.1 U201_3.23 U201_3.45 | length 17.5
  Layer 1 w0.178: U201_3.1@8.402,-9.128 8.463,-9.189 9.049,-9.189 9.05,-9.19 9.827,-9.19 10.102,-9.465 v2(10.125,-9.465) 10.179,-9.465 10.6,-9.044 10.6,-8.455 U201_3.45@10.602,-8.453 10.602,-7.736 10.806,-7.532 10.806,-7.09 10.968,-6.929 R216_3.2@11.018,-6.929 ; v2(14.097,-14.529) 14.101,-14.533 14.101,-15.302 U201_3.23@14.102,-15.303 14.102,-16.126 15.377,-17.4 R225_3.2@15.377,-17.45
  Layer 3 w0.178: v2(10.125,-9.465) 10.125,-11.779 10.779,-12.433 13.036,-12.433 13.375,-12.772 13.375,-14.029 13.874,-14.529 v2(14.097,-14.529)
  Layer 6 w0.178: R218_3.2@9.75,-8.59 9.891,-8.731 9.891,-9.157 10.125,-9.392 v2(10.125,-9.465)
OP1P_4: R216_4.2 R218_4.2 R225_4.2 U201_4.1 U201_4.23 U201_4.45 | length 17.1
  Layer 1 w0.178: R225_4.2@-15.377,-7.55 -15.377,-7.6 -14.102,-8.874 U201_4.23@-14.102,-9.697 U201_4.23@-14.102,-9.697 -14.101,-10.351 v2(-14.25,-10.5) ; R216_4.2@-11.018,-18.071 -10.968,-18.071 -10.806,-17.91 -10.806,-17.468 -10.602,-17.264 U201_4.45@-10.602,-16.547 -10.6,-16.545 -10.6,-15.956 -10.179,-15.535 v2(-10.125,-15.535) -10.102,-15.535 -9.827,-15.81 -9.05,-15.81 -9.049,-15.811 -8.463,-15.811 U201_4.1@-8.402,-15.872
  Layer 3 w0.178: v2(-14.25,-10.5) -13.846,-10.5 -13.408,-10.938 -13.408,-13.195 -12.925,-13.678 -12.668,-13.678 -12.408,-13.938 -12.408,-14.195 -11.453,-15.15 -10.51,-15.15 v2(-10.125,-15.535)
  Layer 6 w0.178: v2(-10.125,-15.535) -10.125,-15.608 -9.891,-15.843 -9.891,-16.269 R218_4.2@-9.75,-16.41
OP2N_1: R213_1.2 R218_1.1 R229_1.2 U201_1.2 | length 15.4
  Layer 1 w0.178: v2(-9.6,9.965) -9.58,9.965 -9.242,9.628 U201_1.2@-8.427,9.628
  Layer 3 w0.178: v2(-19.375,10.65) -18.425,11.6 -14.203,11.6 -13.925,11.322 -13.668,11.322 -13.297,10.951 -13.297,10.694 -12.925,10.322 -12.668,10.322 -12.311,9.965 v2(-9.6,9.965)
  Layer 6 w0.178: v2(-19.375,10.65) -18.7,11.325 R213_1.2@-18.675,11.325 ; v2(-9.6,9.965) -9.35,9.715 R229_1.2@-8.725,9.715 -8.75,9.69 R218_1.1@-8.75,8.59
OP2N_2: R213_2.2 R218_2.1 R229_2.2 U201_2.2 | length 14.2
  Layer 1 w0.178: U201_2.2@8.427,15.372 9.242,15.372 9.58,15.035 v2(9.6,15.035)
  Layer 3 w0.178: v2(9.6,15.035) 9.6,15.885 9.895,16.18 12.423,16.18 13.408,15.195 13.408,14.938 13.779,14.566 14.036,14.566 16.335,12.268 v2(16.967,12.268)
  Layer 6 w0.178: R218_2.1@8.75,16.41 8.725,16.385 8.725,15.235 8.886,15.073 9.561,15.073 v2(9.6,15.035) ; v2(16.967,12.268) R213_2.2@17.628,12.268
OP2N_3: R213_3.2 R218_3.1 R229_3.2 U201_3.2 | length 17.1
  Layer 1 w0.178: U201_3.2@8.427,-9.628 9.242,-9.628 9.58,-9.965 v2(9.6,-9.965)
  Layer 3 w0.178: v2(9.6,-9.965) 9.6,-9.115 10.1,-8.615 11.031,-8.615 12.408,-9.992 12.408,-10.062 12.779,-10.433 13.036,-10.433 13.408,-10.805 13.408,-11.062 13.779,-11.433 14.036,-11.433 14.203,-11.6 18.425,-11.6 v2(19.375,-10.65)
  Layer 6 w0.178: R218_3.1@8.75,-8.59 8.725,-8.615 8.725,-9.765 8.886,-9.926 9.561,-9.926 v2(9.6,-9.965) ; R213_3.2@18.675,-11.325 18.7,-11.325 v2(19.375,-10.65)